# Altium PCB NEW_MINI.PcbDoc
Units mil, origin at the board's own origin, x right, y up, seen from the top; angles counter-clockwise.
Board outline 3790 x 2423 mil, 2 copper layers (Top Layer, Bottom Layer); 92 components, 98 nets, 393 pads, 150 vias.
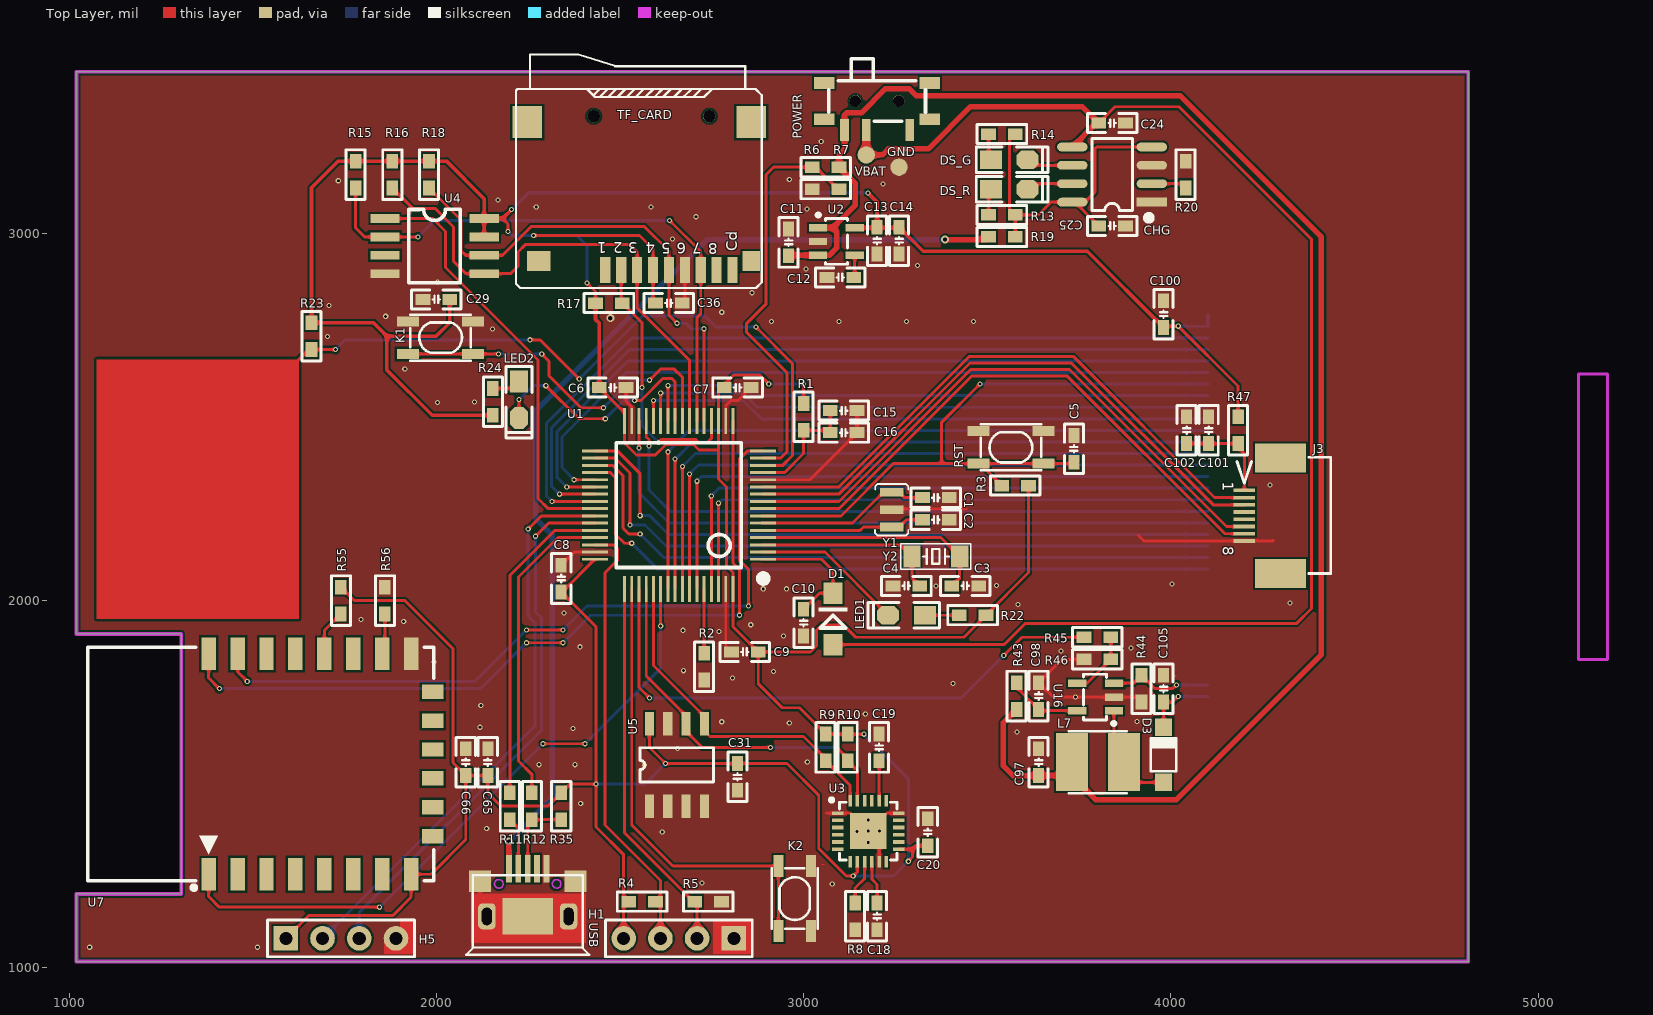
[diagram p0: Top Layer view]
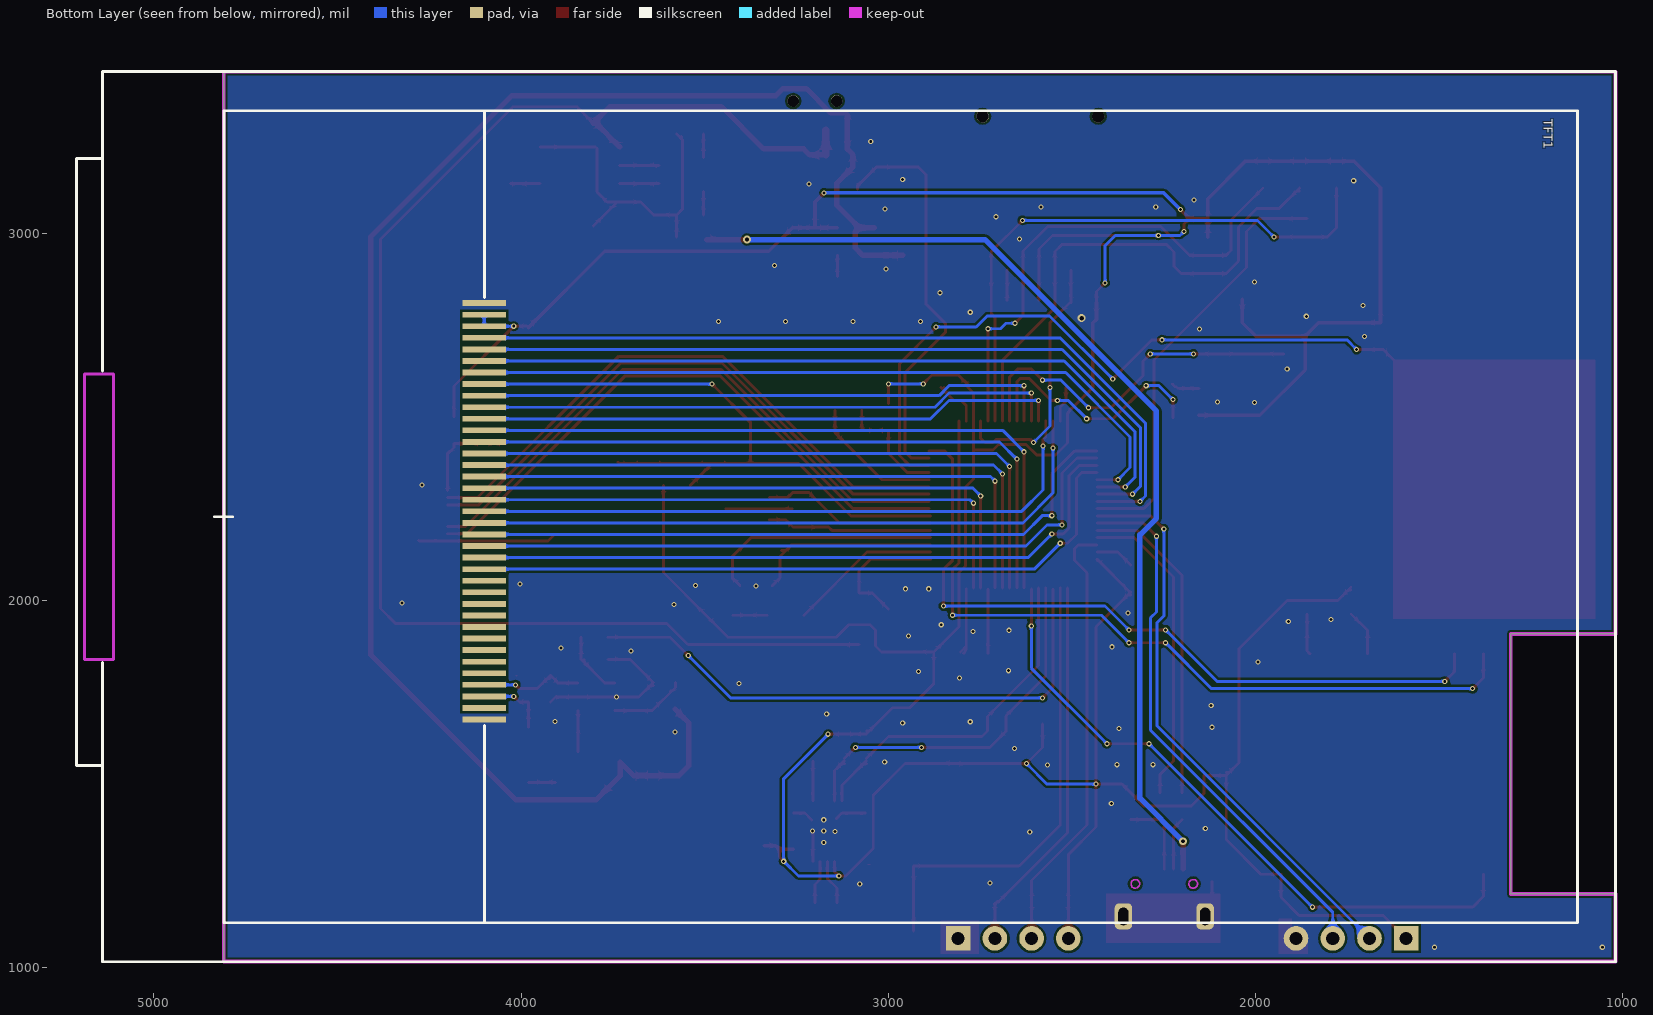
[diagram p1: Bottom Layer view, seen from below]

## Layer stack, top to bottom
Top Solder: solder mask 0.4, Solder Resist, Dk 3.5
Top Layer: signal copper 1.4
Dielectric1: dielectric 12.6, FR-4, Dk 4.8
Bottom Layer: signal copper 1.4
Bottom Solder: solder mask 0.4, Solder Resist, Dk 3.5

## Board outline
1020,1909 1020,3440 4810,3440 4810,1017 1020,1017 1020,1201 1305,1201 1305,1909

## Design rules (kind name [scope] priority, off if disabled: settings)
Clearance [All] p1: gap=6
ComponentClearance [All] p1: gap=10 collisioncheckmode=3 verticalgap=2 showdistances=FALSE
FabricationTestPointUsage TestPointUsage [All] p1: valid=0 allowmultiple=FALSE
FabricationTestpoint Testpoint [(IsPad And (OnTopLayer Or OnBottomLayer))] p1: side=3 testpointundercomponent=TRUE minsize=40 maxsize=100 preferedsize=60 minholesize=0 maxholesize=40 preferedholesize=32 testpointgrid=1 allowsidetop=TRUE allowsidebottom=TRUE usegrid=TRUE gridtolerance=0.01
HoleToHoleClearance [All] p1: gap=6 allowstackedmicrovias=TRUE
MinimumSolderMaskSliver [All] p1: minsoldermaskwidth=0
PlaneConnect [All] p1: planeconnectstyle=Direct reliefexpansion=20 reliefentries=4 reliefconductorwidth=10 reliefairgap=10
PolygonConnect [All] p1: connectstyle=Direct reliefconductorwidth=10 reliefentries=4 polygonreliefangle="90 Angle" airgapwidth=10
RoutingVias [All] p1: holewidth=8 width=14 viastyle="Through Hole" minholewidth=8 minwidth=14 maxholewidth=508 maxwidth=514
SilkToSilkClearance [All] p1: silktosilkclearance=2
SilkToSolderMaskClearance SilkscreenOverComponentPads [IsPad] p1: minsilkscreentomaskgap=0 clearancetoexposedcopper=TRUE
SolderMaskExpansion [All] p1: expansion=4
Width [All] p1: maxlimit=200 minlimit=8 preferedwidth=8 minimp=50.000000 maximp=50.000000 favimp=50.000000
22 further rules are at their usual default settings.

## Components (designator, comment, footprint, x,y, rotation, side; value= is the part's Value field where it differs from the comment)
C1 "22pF" "C 0603_M" 3360,2280 r180 top
C2 "22pF" "C 0603_M" 3360,2220 r180 top
C3 "6pF" "C 0603_M" 3440,2040 r180 top
C4 "6pF" "C 0603_M" 3280,2040 r0 top
C5 "104" "C 0603_M" 3736,2413 r270 top
C6 "104" "C 0603_M" 2480,2580 r180 top
C7 "104" "C 0603_M" 2820,2580 r180 top
C8 "104" "C 0603_M" 2340,2060 r270 top
C9 "104" "C 0603_M" 2840,1860 r0 top
C10 "104" "C 0603_M" 3000,1940 r90 top
C11 "10uF" "C 0603_M" 2959,2975 r90 top
C12 "103" "C 0603_M" 3100,2880 r0 top
C13 "104" "C 0603_M" 3200,2980 r90 top
C14 "10uF" "C 0603_M" 3260,2980 r90 top
C15 "104" "C 0603_M" 3109,2517 r180 top
C16 "10uF" "C 0603_M" 3109,2457 r180 top
C18 "104" "C 0603_M" 3200,1140 r90 top
C19 "10uF" "C 0603_M" 3205.53,1600 r270 top
C20 "104" "C 0603_M" 3338,1369 r270 top
C24 "10uF" "C 0603_M" 3840,3300 r0 top
C25 "10uF" "C 0603_M" 3840,3020 r0 top
C29 "104" "C 0603_M" 2000,2820 r180 top
C31 "104" "C 0603_M" 2820,1520 r270 top
C36 "104" "C 0603_M" 2633.23,2810 r0 top
C65 "10uF" "C 0603_M" 2140,1560 r270 top
C66 "104" "C 0603_M" 2080,1560 r270 top
C97 "10uF" "C 0603_M" 3640,1560 r270 top
C98 "1uF" "C 0603_M" 3640,1740 r270 top
C100 "104" "C 0603_M" 3980,2780 r270 top
C101 "104" "C 0603_M" 4103,2464 r270 top
C102 "10uF" "C 0603_M" 4043,2464 r270 top
C105 "1uF" "C 0603_M" 3980,1760 r90 top
CHG "TP4056" SOP8_M 3840,3160 r180 top
D1 "1N4148" DIODE_SOP 3080,1880 r90 top
D3 "MBR0520" SOD-123 3980,1580 r270 top
DS_G "LED" "LED 0805G" 3560,3200 r0 top
DS_R "LED" "LED 0805R" 3560,3120 r0 top
GND "TP7" TP-1.5 3260,3180 r0 top
H1 "Header 4" HDR2.54-LI-4P 2660,1080 r180 top
H5 "Header 4" HDR2.54-LI-4P 1740,1080 r0 top
J3 "FPC-8P-0.5" FPC-8P 4200,2300 r270 top
K1 "S-KEY-SMD-324225" KEY-SOP324225 2100,2760 r0 top
K2 "S-KEY-SMD-324225" KEY-SOP324225 3020,1100 r270 top
L7 "4.7uH" L_SOP4 3880,1560 r180 top
LED1 "RED" "LED 0805R" 3280,1960 r180 top
LED2 "RED" "LED 0805R" 2225,2547 r270 top
POWER "BUTTON_DIP3" MSK-12C01-07 3200,3360 r180 top
R1 "10R" "R 0603_M" 3000,2500 r270 top
R2 "10K" "R 0603_M" 2728.9,1820 r270 top
R3 "10K" "R 0603_M" 3576,2313 r180 top
R4 "10K" "R 0603_M" 2560,1180 r180 top
R5 "10K" "R 0603_M" 2740,1180 r0 top
R6 "10K" "R 0603_M" 3060,3180 r180 top
R7 "10K" "R 0603_M" 3060,3120 r180 top
R8 "10K" "R 0603_M" 3140,1140 r270 top
R9 "4.7K" "R 0603_M" 3060,1600 r90 top
R10 "4.7K" "R 0603_M" 3120,1600 r90 top
R11 "10R" "R 0603_M" 2200,1440 r270 top
R12 "10R" "R 0603_M" 2260,1440 r270 top
R13 "510R" "R 0603_M" 3540,3050 r180 top
R14 "510R" "R 0603_M" 3540,3270 r180 top
R15 "47K" "R 0603_M" 1780,3160 r90 top
R16 "47K" "R 0603_M" 1880,3160 r90 top
R17 "47K" "R 0603_M" 2470,2810 r180 top
R18 "47K" "R 0603_M" 1980,3160 r90 top
R19 "0.4R" "R 0603_M" 3540,2990 r180 top
R20 "4K" "R 0603_M" 4040,3160 r270 top
R22 "510" "R 0603_M" 3460,1960 r180 top
R23 "1M" "R 0603_M" 1660,2720 r270 top
R24 "510" "R 0603_M" 2154,2541 r90 top
R35 "1.5K" "R 0603_M" 2340,1440 r270 top
R43 "0R" "R 0603_M" 3580,1740 r270 top
R44 "10R" "R 0603_M" 3920,1760 r90 top
R45 "10K" "R 0603_M" 3800,1900 r180 top
R46 "100K" "R 0603_M" 3800,1840 r180 top
R47 "10R" "R 0603_M" 4183,2464 r90 top
R55 "1K" "R 0603_M" 1740,2000 r270 top
R56 "1K" "R 0603_M" 1860,2000 r270 top
RST "S-KEY-SMD-324225" KEY-SOP324225 3476,2373 r180 top
TF_CARD "SD-MICRO-TF" SD-MICRO-TF 2460,2900 r180 top locked
TFT1 "TFT4.3'" TFT4.3' 5140,3440 r270 bottom locked
U1 "STM32F103RCT6" LQFP_64_M 2660,2260 r90 top locked
U2 "CAT6219-330TD" SOT-23-5#1 3039,3015 r0 top
U3 "MPU6050" QFN24 3176,1372 r0 top
U4 "W25Q128" SOIC-8 1860,3040 r0 top
U5 "24C02" SOP-8 2580,1440 r90 top
U7 "ESP8266" ESP_12E 1380,1240 r90 top locked
U16 "MP3302DJ" SOT-23-5#2 3780,1800 r180 top
USB "J-MICRO-USB-5S" USB-AB-5S 2360,1140 r180 top
VBAT "TP6" TP-1.5 3170.47,3213.53 r0 top
Y1 "8MHz" Y-XTAL-3215-3P 3240,2200 r90 top
Y2 "32.768K" "OSC 3215-2P" 3360,2120 r0 top

## Footprints (in the part's own frame and the unit in brackets; to place one, negate y for a bottom-side part, rotate by r counter-clockwise, add the part's x,y. Pads: shape width x height; smd on the part's side, far side on the other; paste and mask are expansions set on the pad)
"C 0603_M" [mil] "无极性贴片电容"
  rect 40x30 smd: 1(-36.5,0) 2(36.5,0)
  silkscreen extent -68,-26 68,26, body extent -31,-16 31,16, height 32
DIODE_SOP [mm]
  rect 1.5x1.3 smd: 1(0,0) 2(3.556,0)
  silkscreen extent 1.14,-1.02 2.56,1.02
ESP_12E [mm] "ESP-12 Wi-Fi Module by AI-Thinker"
  rect 2.25x1 smd: 1(0.375,0) 2(0.375,-2) 3(0.375,-4) 4(0.375,-6) 5(0.375,-8) 6(0.375,-10) 7(0.375,-12) 8(0.375,-14) 15(15.625,-14) 16(15.625,-12) 17(15.625,-10) 18(15.625,-8) 19(15.625,-6) 20(15.625,-4) 21(15.625,-2) 22(15.625,0)
  rect 1x1.5 smd: 9(3,-15.5) 10(5,-15.5) 11(7,-15.5) 12(9,-15.5) 13(11,-15.5) 14(13,-15.5)
  silkscreen extent -0.7,-15.57 16.08,8.37, body extent 0,-15.49 16,8.51, height 2.75
FPC-8P [mm]
  rect 0.25x1.5 smd: 1(0,0) 2(0.5,0) 3(1,0) 4(1.5,0) 5(2,0) 6(2.5,0) 7(3,0) 8(3.5,0)
  rect 2x3.5 smd: 9(-2.25,2.5) 10(5.75,2.5)
  silkscreen extent -2.29,-0.5 5.75,5.97
HDR2.54-LI-4P [mm] "排针，4脚"
  rect 1.7x1.7 hole 0.9: 1(-3.81,0)
  round 1.7 hole 0.9: 2(-1.27,0) 3(1.27,0) 4(3.81,0)
  silkscreen extent -5.08,-1.27 5.08,1.27, body extent -5.08,-1.27 5.08,1.27, height 8.5
KEY-SOP324225 [mm]
  rect 1.5x0.7 smd: 1(-4.5,0) 1(0,0) 2(-4.5,-2.25) 2(0,-2.25)
  silkscreen extent -4.35,-2.73 -0.15,0.48, body extent -6.44,-2.93 1.7,0.67, height 2.49
L_SOP4 [mm]
  rect 2.2x4 smd: 1(0.2,0) 2(3.8,0)
  silkscreen extent 0,-2.15 4,2.15
"LED 0805G" [mil] "绿色0805LED"
  rect 60x50 smd: 1(-50,0)
  oct 60x50 smd: 2(50,0)
  silkscreen extent -90,-35 105,35, body extent -39,-25 39,25, height 32
"LED 0805R" [mil] "红色0805LED"
  rect 60x50 smd: 1(-50,0)
  oct 60x50 smd: 2(50,0)
  silkscreen extent -90,-35 105,35, body extent -39,-25 39,25, height 32
LQFP_64_M [mm]
  rect 0.203x1.8 smd: 1(-3.75,-5.829) 2(-3.25,-5.829) 3(-2.75,-5.829) 4(-2.25,-5.829) 5(-1.75,-5.829) 6(-1.25,-5.829) 7(-0.75,-5.829) 8(-0.25,-5.829) 9(0.25,-5.829) 10(0.75,-5.829) 11(1.25,-5.829) 12(1.75,-5.829) 13(2.25,-5.829) 14(2.75,-5.829) 15(3.25,-5.829) 16(3.75,-5.829) 33(3.75,5.804) 34(3.25,5.804) 35(2.75,5.804) 36(2.25,5.804) 37(1.75,5.804) 38(1.25,5.804) 39(0.75,5.804) 40(0.25,5.804) 41(-0.25,5.804) 42(-0.75,5.804) 43(-1.25,5.804) 44(-1.75,5.804) 45(-2.25,5.804) 46(-2.75,5.804) 47(-3.25,5.804) 48(-3.75,5.804)
  rect 1.8x0.203 smd: 17(5.804,-3.75) 18(5.804,-3.25) 19(5.804,-2.75) 20(5.804,-2.25) 21(5.804,-1.75) 22(5.804,-1.25) 23(5.804,-0.75) 24(5.804,-0.25) 25(5.804,0.25) 26(5.804,0.75) 27(5.804,1.25) 28(5.804,1.75) 29(5.804,2.25) 30(5.804,2.75) 31(5.804,3.25) 32(5.804,3.75) 49(-5.804,3.75) 50(-5.804,3.25) 51(-5.804,2.75) 52(-5.804,2.25) 53(-5.804,1.75) 54(-5.804,1.25) 55(-5.804,0.75) 56(-5.804,0.25) 57(-5.804,-0.25) 58(-5.804,-0.75) 59(-5.804,-1.25) 60(-5.804,-1.75) 61(-5.804,-2.25) 62(-5.804,-2.75) 63(-5.804,-3.25) 64(-5.804,-3.75)
  silkscreen extent -5.33,-6.09 4.32,4.32, body extent -6,-6 6,6, height 1.45
MSK-12C01-07 [mm] "6.7*2.8*1.5mm(长宽高）"
  rect 1.4x0.8 smd: 0(-3.65,-1.25) 0(-3.65,1.25) 0(3.65,-1.25) 0(3.65,1.25)
  rect 0.6x1.5 smd: 1(-2.25,1.996) 2(0.75,1.996) 3(2.25,1.996)
  round 0.8 hole 0.8: " "(-1.5,0) " "(1.5,0)
  silkscreen extent -3.35,-2.92 3.35,1.4, body extent -3.92,-2.9 3.92,2.4, height 1.5
"OSC 3215-2P" [mm] "3.2*1.5*0.6mm(长宽高)"
  rect 1.2x1.5 smd: 1(-1.65,0) 2(1.65,0)
  silkscreen extent -2.41,-0.89 2.41,0.89, body extent -1.6,-0.75 1.6,0.75, height 0.61
QFN24 [mm]
  rect 0.8x0.25 smd: 1(-2.101,1.25) 2(-2.101,0.75) 3(-2.101,0.25) 4(-2.101,-0.25) 5(-2.101,-0.75) 6(-2.101,-1.25) 13(2.101,-1.25) 14(2.101,-0.75) 15(2.101,-0.25) 16(2.101,0.25) 17(2.101,0.75) 18(2.101,1.25)
  rect 0.25x0.8 smd: 7(-1.25,-2.101) 8(-0.75,-2.101) 9(-0.25,-2.101) 10(0.25,-2.101) 11(0.75,-2.101) 12(1.25,-2.101) 19(1.25,2.101) 20(0.75,2.101) 21(0.25,2.101) 22(-0.25,2.101) 23(-0.75,2.101) 24(-1.25,2.101)
  rect 2.5x2.5 smd: 25(0,0)
  silkscreen extent -2.66,-2 2,2.28
"R 0603_M" [mil] "1/10W贴片电阻"
  rect 40x31.5 smd: 1(-36.5,0) 2(36.5,0)
  silkscreen extent -68,-26 68,26, body extent -31,-16 31,16, height 16
SD-MICRO-TF [mm]
  rect 2.032x2.2 smd: 0(-10.1,-10.227) 0(5.4,-10.227)
  rect 1.2x1.4 smd: 0(-10.1,-0.627)
  round 0.85 hole 0.85 unplated: 0(-7.2,-10.627) 0(0.8,-10.627)
  rect 1.6x1.4 smd: 0(4.6,-0.627)
  rect 0.7x1.8 smd: 1(0,0) 2(-1.1,0) 3(-2.2,0) 4(-3.3,0) 5(-4.4,0) 6(-5.5,0) 7(-6.6,0) 8(-7.7,0) 9(-8.8,0)
  silkscreen extent -10.82,-14.91 6.17,1.25, body extent -10.37,-14.85 5.9,0.34, height 1.8
SOD-123 [mm]
  rect 1.2x1.2 smd: 1(1.905,0) 2(-1.905,0)
  silkscreen extent -1.14,-0.89 1.14,0.89
SOIC-8 [mil]
  rect 80x24 smd: 1(0,0) 2(0,-50.06) 3(0,-100.06) 4(0,-150.06) 5(270,-150) 6(270,-100) 7(270,-50) 8(270,0)
  silkscreen extent 65,-175 205,25
SOP8_M [mm] "5*6*1.8mm（长宽高）"
  rect 2.1x0.6 smd: 1(-2.75,1.905)
  oval 2.1x0.6 smd: 2(-2.75,0.635) 3(-2.75,-0.635) 4(-2.75,-1.905) 5(2.75,-1.905) 6(2.75,-0.635) 7(2.75,0.635) 8(2.75,1.905)
  silkscreen extent -2.69,-2.5 1.4,3.15, body extent -3,-2.5 3,2.5, height 1.9
SOP-8 [mil]
  rect 65x25 smd: 1(0,0) 2(0,-50) 3(0,-100) 4(0,-150) 5(224.41,-150) 6(224.41,-100) 7(224.41,-50) 8(224.41,0)
  silkscreen extent 65,-175 159,25
SOT-23-5#1 [mil]
  rect 50x20 smd: 1(0,0) 2(0,-37.4) 3(0,-74.8) 4(100,-74.8) 5(100,0)
  silkscreen extent 0,-99 80,35
SOT-23-5#2 [mil]
  rect 50x20 smd: 1(-65,100) 2(-65,63) 3(-65,25) 4(35,25) 5(35,100)
  silkscreen extent -65,1 18,135
TFT4.3' [mm]
  rect 0.4x3 smd: 1(16.006,26.396) 2(16.806,26.396) 3(17.606,26.396) 4(18.406,26.396) 5(19.206,26.396) 6(20.006,26.396) 7(20.806,26.396) 8(21.606,26.396) 9(22.406,26.396) 10(23.206,26.396) 11(24.006,26.396) 12(24.806,26.396) 13(25.606,26.396) 14(26.406,26.396) 15(27.206,26.396) 16(28.006,26.396) 17(28.806,26.396) 18(29.606,26.396) 19(30.406,26.396) 20(31.206,26.396) 21(32.006,26.396) 22(32.806,26.396) 23(33.606,26.396) 24(34.406,26.396) 25(35.206,26.396) 26(36.006,26.396) 27(36.806,26.396) 28(37.606,26.396) 29(38.406,26.396) 30(39.206,26.396) 31(40.006,26.396) 32(40.806,26.396) 33(41.606,26.396) 34(42.406,26.396) 35(43.206,26.396) 36(44.006,26.396) 37(44.806,26.396)
  Keep-Out Layer lines w0.203: 40.66,0.75 20.9,0.75 20.9,-1.25 40.66,-1.25 40.66,0.75
  silkscreen extent 0,-1.8 61.56,104.65
TP-1.5 [mm]
  round 1.2 smd: 1(0,0)
USB-AB-5S [mm]
  rect 0.4x1.9 smd: 1(4.125,-3.286) 2(3.475,-3.286) 3(2.825,-3.286) 4(2.175,-3.286) 5(1.525,-3.286)
  rrect50% 1.2x1.8 hole 0.7 slot 1.2 at 90 deg: 6(5.65,0) 7(0,0)
  rect 1.5x1.5 smd: 8(-0.477,-2.422) 9(6.127,-2.422)
  rect 3.5x2.5 smd: 9(2.825,-0.009)
  Keep-Out Layer circle w0.102: c0.825,-2.25 r0.3
  Keep-Out Layer circle w0.102: c4.825,-2.25 r0.3
  silkscreen extent -1.44,-2.85 7.09,2.66, body extent -1.12,-2.92 6.88,2.68, height 2.8
Y-XTAL-3215-3P [mm]
  rect 0.6x1.6 smd: 1(0,0) 2(1.2,0) 3(2.4,0)
  silkscreen extent -0.58,-1.14 2.98,1.17, body extent -0.35,-0.75 2.85,0.75, height 0.81

## Part data
C1 C2 C10 C24 C25: library part CAP
C3 C4 C5 C6 C7 C8 C9 C11 C12 C13 C14 C15 C16 C18 C19 C20 C29 C31 C36 C65 C66 C97 C98 C100 C101 C102 C105: library part C
CHG: library part Component_1
D1: library part D
D3: library part D, "1N4148"
DS_G DS_R LED1 LED2: library part LED2, "Typical RED, GREEN, YELLOW, AMBER GaAs LED"
GND VBAT: library part TEST-POINT, "测试点"
H1 H5: "Header, 4-Pin"
J3: library part FPC-8, "FPC-8P-0.5mm"
K1 K2 RST: "KEY,SMD,324225"
L7: library part L
POWER: "拨动开关SS-12F44"
R1 R2 R3 R4 R5 R6 R7 R8 R9 R10 R11 R12 R13 R14 R15 R16 R17 R18 R19 R20 R22 R23 R24 R35 R43 R44 R45 R46 R47 R55 R56: library part R
TF_CARD: "SD,MICRO,TF"
TFT1: library part TFT4.3‘, "4.3寸,电容/电阻触摸,分辨率:480*800"
U1: library part STM32F103RDT6
U2: "3.3V 500mA LDO"
U3: "9轴运动处理传感器"
U4: library part W25X16, "W25X16;SST25VF016;MX25L1605"
U5: library part 24C256
U16: library part MP3302, "LCD背光IC"
USB: "Micro USB 5.9有柱脚长1.25加长针"
Y1: library part Y-3215-8M, "XTAL,3215,8MHz"
Y2: library part XTAL, "Crystal Oscillator"

## Via types
v1: diameter 14, hole 8, Top Layer to Bottom Layer, 147 vias
v2: diameter 21, hole 10, Top Layer to Bottom Layer, 2 vias
v3: diameter 22, hole 12, Top Layer to Bottom Layer, 1 vias

## Nets (pads, with @x,y where several pads share a name; then routed paths per layer and width w, separated by ;. In a path a pad name is that pad's centre, name@x,y a point inside that pad or via, vN(x,y) a via of type N, cw(c..) or ccw(c..) an arc to the next point about the centre after c; other vN are vias at no path point)
BOOT0: R2.1 U1.60 | length 175
  Top Layer w8: R2.1 U1.60
ESP_ADC: U7.2
ESP_CS0: U7.9
ESP_EN: U7.3
ESP_GPIO0: R55.2 U7.18 | length 127
  Top Layer w8: U7.18 1694.96,1918.46 R55.2
ESP_GPIO2: U7.17
ESP_GPIO4: U7.19
ESP_GPIO5: U7.20
ESP_GPIO9: U7.11
ESP_GPIO10: U7.12
ESP_GPIO12: U7.6
ESP_GPIO13: U7.7
ESP_GPIO14: U7.5
ESP_GPIO15: R56.2 U7.16 | length 111.5
  Top Layer w8: U7.16 1860,1862.72 R56.2
ESP_GPIO16: U7.4
ESP_MISO: U7.10
ESP_MOSI: U7.13
ESP_RST: U1.54 U7.1 | length 1788.8
  Top Layer w8: U7.1 1380,1194 1409,1165 v1(1845,1165) ; v1(2290,1610) v1(2405,1610) ; v1(2610.79,1930.21) U1.54
  Bottom Layer w8: v1(1845,1165) v1(2290,1610) ; v1(2405,1610) 2610.79,1815.79 v1(2610.79,1930.21)
ESP_RXD0: U1.16 U7.21 | length 2020.2
  Top Layer w8: U7.21 1458.74,1806.26 v1(1485,1780) ; v1(2245,1920) v1(2345,1920) ; v1(2850,1985) 2850,2085 2825,2110 2825,2385 2847.64,2407.64 U1.16
  Bottom Layer w8: v1(1485,1780) 2105,1780 v1(2245,1920) ; v1(2345,1920) 2410,1985 v1(2850,1985)
ESP_SCLK: U7.14
ESP_TXD0: U1.17 U7.22 | length 2141.7
  Top Layer w8: U7.22 1380,1789 v1(1409,1760) ; v1(2245,1885) v1(2345,1885) ; U1.17 2807.64,2102.36 2825,2085 v1(2825,1960)
  Bottom Layer w8: v1(1409,1760) 2120,1760 v1(2245,1885) ; v1(2345,1885) 2420,1960 v1(2825,1960)
GND: C1.1 C2.1 C3.1 C4.1 C5.1 C6.1 C7.1 C8.1 C9.1 C10.1 C11.2 C12.1 C13.1 C14.1 C15.1 C16.1 C18.1 C19.1 C20.1 C24.2 C25.2 C29.2 C31.2 C36.2 C65.1 C66.1 C97.1 C98.1 C100.1 C101.1 C102.1 C105.2 CHG.1 CHG.3 GND.1 H1.1 H5.4 J3.8 K1.1 K2.1 R2.2 R5.2 R7.2 R8.2 R20.1 R44.1 R46.2 R56.1 RST.2 TF_CARD.6 TFT1.1 TFT1.37 U1.12 U1.18 U1.31 U1.47 U1.63 U2.2 U3.1 U3.11 U3.18 U4.4 U5.1 U5.2 U5.3 U5.4 U5.7 U7.15 U16.2 USB.5 USB.6 USB.7 USB.8 USB.9 Y1.2 | length 2320.5
  Top Layer w8: 2118,1178 2118.78,1178.78 USB.9@2118.78,1235.35 ; C8.1 2375.55,2132.05 U1.47 ; C6.1 2516.5,2542.5 2532.05,2526.95 U1.31 ; C36.2@2676.54,2816.81 TF_CARD.6 ; C9.1@2787.95,1873.39 ccw(c2811.89,1873.39) C9.1@2794.96,1856.46 ; U1.63 2787.95,1875.55 C9.1 ; U1.18 2787.95,2530.95 2802,2545 2821.5,2545 C7.1 ; C7.1@2842.84,2566.34 ccw(c2829.19,2580) C7.1@2848.5,2580 ; U1.12 3017.4,2328.9 C16.1 C15.1 ; 3062.53,1421.45 3062.77,1421.21 U3.1 3126.79,1421.21 3142,1406 ; C16.1@3131.84,2443.34 ccw(c3118.19,2457) C16.1@3137.5,2457 ; U3.11 v1@3205.53,1372 ; 3208,1402 3227.21,1421.21 U3.18 ; Y1.2@3262,2250 3442,2250 ; C98.1@3640,1768.5 cw(c3640,1749.19) C98.1@3653.66,1762.84 ; R46.2 3703.5,1840 C98.1 3679.5,1737 v1(3740,1737) U16.2 3906.5,1737 R44.1 ; 3912,2177 3926.8,2162.2 J3.8 4277.2,2162.2 4279,2164
  other v1: 1056,1056 1513,1056 3078,1228 2723,1231 3176,1341 2615,1370 3145,1371 3176,1372 3207,1372 2137,1379 3176,1403 2393,1447 2567,1552 2279,1553 2377,1553 3010,1560 2657,1597 3581,1642 2372,1652 2119,1655 2961,1667 2777,1670 3908,1671 3168,1691 2121,1714 3407,1774 2806,1789 2918,1807 2673,1809 1994,1833 3701,1863 3891,1871 2391,1874 2945,1903 2770,1916 2672,1919 2856,1934 1911,1943 1795,1948 2348,1966 3584,1989 4324,1993 2890,2032 2953,2032 3360,2040 3525,2041 4003,2045 4270,2315 2003,2539 2104,2541 1914,2630 1704,2719 2153,2739 2913,2760 3096.33,2760 3279.67,2760 3463,2760 1862,2774 2777,2785 1708,2803 2859,2838 2003,2867 3006,2903 3310,2912 2643,2984 2707,3045 3009,3066 2272,3072 2584,3072 2168,3091 3216,3134 1733,3143 2961,3146 3048,3250
  other v3: 2474,2769
IIC_SCL: R10.1 U1.52 U3.23 U5.6 | length 1041.1
  Top Layer w8: U1.52@2571.42,2034.53 U1.52 2571.42,1794.58 2680,1686 U5.6 2680,1644 2724,1600 v1(2910,1600) ; v1(3090,1600) R10.1@3120,1570 ; R10.1@3120,1555.5 cw(c3120,1536.19) R10.1@3133.66,1549.84 ; R10.1 3146.47,1537.03 U3.23
  Bottom Layer w8: v1(2910,1600) v1(3090,1600)
IIC_SDA: R9.1 U1.53 U3.24 U5.5 | length 959.7
  Top Layer w8: U1.53@2591.1,2034.53 U1.53 2591.1,1822.9 2730,1684 U5.5 2730,1645 2745,1630 3000,1630 R9.1@3060,1570 ; R9.1@3060,1555.5 cw(c3060,1536.19) R9.1@3073.66,1549.84 ; R9.1 3126.79,1496.71 U3.24
JTCK: H1.2 R5.1 U1.49 | length 1038.4
  Top Layer w8: U1.49@2512.36,2034.53 2512.36,1367.64 R5.1@2700,1180 ; H1.2 R5.1@2710,1173.5
  Top Layer w10: R5.1@2700,1180 R5.1 R5.1@2710,1173.5
JTMS: H1.3 R4.1 U1.46 | length 1203.6
  Top Layer w8: U1.46 2482.27,2151.73 2493,2141 2493,2109.42 2459,2075.42 2459,1389 2610,1238 H1.3
LED_A: C105.1 D3.2 TFT1.35 | length 195.7
  Top Layer w8: D3.2 C105.1 4004.5,1723.5 v1(4020,1739)
  Bottom Layer w8: v1(4020,1739) TFT1.35
LED_K: R44.2 TFT1.34 U16.3 | length 299.3
  Top Layer w8: U16.3 3898.5,1775 R44.2 3956.5,1760 4004.52,1760 v1(4015,1770.48) ; R44.2@3920,1788.5 cw(c3920,1769.19) R44.2@3933.66,1782.84
  Bottom Layer w8: v1(4015,1770.48) TFT1.34
MPU_INT: U3.12
NetC10_2: C10.2 D1.2 U1.1 | length 366.5
  Top Layer w8: U1.1@2885.47,2112.36 U1.1 3048.64,2112.36 3080,2081 D1.2 3043.5,2020 C10.2
NetC12_2: C12.2 U2.4 | length 57.7
  Top Layer w8: C12.2@3139,2882.5 U2.4
NetC18_2: C18.2 U3.10 | length 118.6
  Top Layer w8: U3.10 3185.84,1241.16 3200,1227 C18.2
NetC19_2: C19.2 U3.20 | length 108.8
  Top Layer w8: U3.20 C19.2
NetC25_1: C25.1 CHG.4 CHG.8 R13.1 R14.1 R19.1 | length 911.8
  Top Layer w8: R14.1@3562.13,3255.63 ccw(c3558.03,3259.72) R14.1@3562.73,3263.12 ; R19.1 R13.1 ; R14.1 3560,3253.5 3560,3066.5 R13.1 ; C25.1 CHG.8@3738.5,3085 ; CHG.4 3797.22,3235 3793,3230.78 3793,3112 3766,3085 CHG.8@3738.5,3085 ; R13.1 3639,3050 3674,3085 CHG.8 CHG.8@3738.5,3085
NetC98_2: C98.2 R43.1 U16.5 | length 204.3
  Top Layer w8: R43.1 3580,1763.5 C98.2 3643.5,1700 U16.5
NetC101_2: C101.2 C102.2 J3.1 R47.1 | length 274.5
  Top Layer w8: C102.2 C101.2 R47.1 4183,2416.79 4200,2399.79 J3.1
NetCHG_2: CHG.2 R20.2 | length 80.2
  Top Layer w8: CHG.2 R20.2@4028.5,3135
NetCHG_6: CHG.6 DS_G.2 | length 106.7
  Top Layer w8: DS_G.2@3625,3185 CHG.6
NetCHG_7: CHG.7 DS_R.2 | length 106.7
  Top Layer w8: DS_R.2@3625,3135 CHG.7
NetD3_1: D3.1 L7.1 U16.1 | length 186.9
  Top Layer w8: L7.1@3845,1587.13 U16.1 ; L7.1@3906,1505 D3.1
NetDS_G_1: DS_G.1 R14.2 | length 63.5
  Top Layer w8: DS_G.1@3503.5,3206.5 R14.2
NetDS_R_1: DS_R.1 R13.2 | length 63.5
  Top Layer w8: R13.2 DS_R.1@3503.5,3113.5
NetLED1_1: LED1.1 R22.2 | length 93.5
  Top Layer w8: LED1.1 R22.2
NetLED2_1: LED2.1 R24.2 | length 80.9
  Top Layer w8: R24.2 LED2.1@2205.5,2577.5 ; LED2.1@2202,2577.5 ccw(c2202,2609.25) LED2.1@2227.4,2590.2
NetR8_1: R8.1 U3.9 | length 123.6
  Top Layer w8: R8.1 3140,1217 3166.16,1243.16 U3.9
NetR11_2: R11.2 USB.2 | length 143.8
  Top Layer w8: R11.2 2223.19,1380.31 USB.2
NetR12_2: R12.2 R35.2 USB.3 | length 218.8
  Top Layer w8: USB.3 2248.78,1392.28 R12.2 R35.2
NetR45_1: R45.1 R46.1 U16.4 | length 193.6
  Top Layer w8: U16.4 3771.5,1775 R46.1 R45.1 ; R46.1@3822.84,1826.34 ccw(c3809.19,1840) R46.1@3828.5,1840
PA0: R23.2 U1.14 | length 1891.1
  Top Layer w8: 1616,2647 1652.5,2683.5 R23.2 v1(1725,2683.5) ; v1(2255,2710) 2282,2710 v1(2389,2603) ; v1(2870,2745) 2970,2645 2970,2395 2943.27,2368.27 U1.14
  Bottom Layer w8: v1(1725,2683.5) 1751.5,2710 v1(2255,2710) ; v1(2389,2603) 2561,2775 2731,2775 2761,2745 v1(2870,2745)
PA1: R6.2 R7.1 U1.15 | length 1119.3
  Top Layer w8: U1.15 2937.95,2387.95 2955,2405 2955,2620 2845,2730 2845,2755 2898,2808 2898,3160 2918,3180 R6.2 3033,3180 3083.5,3129.5 R7.1@3083.5,3120
PA4: R17.1 TF_CARD.2 U1.20 | length 713.6
  Top Layer w8: R17.1@2503.31,2810 TF_CARD.2 ; R17.1 2560,2756.5 v1(2560,2580) ; v1(2605,2430) 2614,2439 2705.8,2439 2714.8,2430 2737,2430 2748.58,2441.58 U1.20
  Bottom Layer w8: v1(2560,2580) 2560,2475 v1(2605,2430)
PA5: R18.1 TF_CARD.5 U1.21 U4.6 | length 1375.3
  Top Layer w8: R18.1 2067,3036.5 2067,2953 2080,2940 U4.6 2180,2940 2258,3018 2567,3018 2633.23,2951.77 TF_CARD.5 2633.23,2776.77 v1(2655,2755) ; U1.21 v1(2728.9,2740)
  Bottom Layer w8: v1(2655,2755) 2680,2755 2695,2740 v1(2728.9,2740)
PA6: R15.1 TF_CARD.7 U1.22 U4.2 | length 1578.6
  Top Layer w8: R15.1 1780,3015 1805.06,2989.94 U4.2 v1(1949.94,2989.94) ; v1(2635,3035) 2719.84,2950.16 TF_CARD.7 2719.84,2780.84 2709.21,2770.21 U1.22
  Bottom Layer w8: v1(1949.94,2989.94) 1995,3035 v1(2635,3035)
PA7: R16.1 TF_CARD.3 U1.23 U4.5 | length 1417.3
  Top Layer w8: R16.1@1880,3115.5 cw(c1880,3096.19) R16.1@1893.66,3109.84 ; R16.1 1935.5,3068 1996,3068 2047,3017 2047,2924 2081,2890 U4.5 2202,2890 2222.25,2910.25 2222.25,2949.25 2242,2969 2528,2969 2546.61,2950.39 TF_CARD.3 2546.61,2797.39 2689.53,2654.47 U1.23
PA8: U1.41 U4.1 | length 1176.9
  Top Layer w8: U4.1 1990,3040 2025,3005 2025,2907 2277,2655 2277,2278 2304.84,2250.16 U1.41
PA9: H5.2 U1.42 | length 1558.1
  Top Layer w8: v1(2250,2195) 2285.47,2230.47 U1.42
  Bottom Layer w8: H5.2 2268,1658 2268,1940 2250,1958 v1(2250,2195)
PA10: H5.3 U1.43 | length 1483.4
  Top Layer w8: v1(2270,2175) 2305.79,2210.79 U1.43
  Bottom Layer w8: H5.3 1790,1151 2286,1647 2286,1953 2270,1969 v1(2270,2175)
PA11: R11.1 U1.44 | length 874
  Top Layer w8: R11.1 2200,2068 2323.1,2191.1 U1.44
PA12: R12.1 U1.45 | length 854.4
  Top Layer w8: R12.1 2260,1527 2224,1563 2224,2064 2331.42,2171.42 U1.45
PA15: K2.2 U1.50 | length 1268.4
  Top Layer w8: U1.50@2532.05,2034.53 U1.50 2532.05,1388.95 2643.83,1277.17 2931.42,1277.17 K2.2@2931.42,1100
PB0: TFT1.9 U1.26 | length 1578
  Top Layer w8: U1.26 v1(2630.47,2585)
  Bottom Layer w8: v1(2630.47,2585) 2834.6,2585 2861.72,2557.88 TFT1.9
PB1: TFT1.10 U1.27 | length 1582.5
  Top Layer w8: U1.27 v1(2610.79,2565)
  Bottom Layer w8: v1(2610.79,2565) 2834.8,2565 2873.41,2526.39 TFT1.10
PB2: TFT1.11 U1.28 | length 1586.9
  Top Layer w8: U1.28 v1(2591.1,2545)
  Bottom Layer w8: v1(2591.1,2545) 2835,2545 2885.11,2494.89 TFT1.11
PB3: TFT1.12 U1.55 | length 1865
  Top Layer w8: U1.55@2630.47,2034.53 v1(2630.47,2405)
  Bottom Layer w8: v1(2630.47,2405) 2688.87,2463.39 TFT1.12
PB4: TFT1.13 U1.56 | length 1820.5
  Top Layer w8: U1.56@2650.16,2034.53 v1(2650.16,2385)
  Bottom Layer w8: v1(2650.16,2385) 2697.05,2431.9 TFT1.13
PB5: TFT1.14 U1.57 | length 1776.1
  Top Layer w8: U1.57@2669.84,2034.53 v1(2669.84,2365)
  Bottom Layer w8: v1(2669.84,2365) 2705.24,2400.4 TFT1.14
PB6: TFT1.15 U1.58 | length 1731.6
  Top Layer w8: U1.58@2689.53,2034.53 v1(2689.53,2345)
  Bottom Layer w8: v1(2689.53,2345) 2713.43,2368.91 TFT1.15
PB7: TFT1.16 U1.59 | length 1687.2
  Top Layer w8: U1.59@2709.21,2034.53 v1(2709.21,2325)
  Bottom Layer w8: v1(2709.21,2325) 2721.62,2337.41 TFT1.16
PB8: TFT1.17 U1.61 | length 1611.3
  Top Layer w8: U1.61@2748.58,2034.53 v1(2748.58,2285)
  Bottom Layer w8: v1(2748.58,2285) 2769.5,2305.91 TFT1.17
PB9: TFT1.18 U1.62 | length 1566.9
  Top Layer w8: U1.62@2768.27,2034.53 v1(2768.27,2265)
  Bottom Layer w8: v1(2768.27,2265) 2777.68,2274.42 TFT1.18
PB10: TFT1.19 U1.29 | length 1736.5
  Top Layer w8: U1.29 2571.42,2445.58 2578.71,2438.29 v1(2578.71,2420.71)
  Bottom Layer w8: v1(2578.71,2420.71) 2578.71,2301.29 2637.08,2242.92 TFT1.19
PB11: TFT1.20 U1.30 | length 1778.2
  Top Layer w8: v1(2551.73,2415) U1.30
  Bottom Layer w8: v1(2551.73,2415) 2551.73,2293.27 2633.57,2211.43 TFT1.20
PB12: TFT1.21 U1.33 | length 1830.4
  Top Layer w8: U1.33 2492.36,2407.64 2555,2345 v1(2555,2231)
  Bottom Layer w8: v1(2555,2231) 2581,2231 2632.07,2179.93 TFT1.21
PB13: TFT1.22 U1.34 | length 1851.1
  Top Layer w8: U1.34 2486.05,2387.95 2527,2347 v1(2527,2206)
  Bottom Layer w8: v1(2527,2206) 2568,2206 2625.57,2148.43 TFT1.22
PB14: TFT1.23 U1.35 | length 1857.2
  Top Layer w8: U1.35 2479.73,2368.27 2508,2340 2508,2197 2524,2181 v1(2555,2181)
  Bottom Layer w8: v1(2555,2181) 2619.06,2116.94 TFT1.23
PB15: TFT1.24 U1.36 | length 1868.5
  Top Layer w8: U1.36 2473.42,2348.58 2488,2334 2488,2180 2512,2156 v1(2532,2156)
  Bottom Layer w8: v1(2532,2156) 2602.56,2085.44 TFT1.24
PC0: J3.7 U1.8 | length 1637.7
  Top Layer w8: U1.8 3096.16,2250.16 3457,2611 3718,2611 4147.11,2181.89 J3.7
PC1: J3.6 U1.9 | length 1636.3
  Top Layer w8: U1.9 3096.04,2269.84 3455.2,2629 3724,2629 4151.43,2201.57 J3.6
PC2: J3.3 U1.10 | length 1618.6
  Top Layer w8: U1.10 3095.93,2289.53 3453.4,2647 3729,2647 4115.37,2260.63 J3.3
PC3: J3.2 U1.11 | length 1617.2
  Top Layer w8: U1.11 3095.82,2309.21 3451.6,2665 3734,2665 4118.69,2280.32 J3.2
PC4: K1.2 U1.24 | length 1002.9
  Top Layer w8: K1.2@1922.83,2671.42 2100,2671.42 v1(2169.42,2671.42) ; v1(2287,2671.42) 2307,2651.42 2307,2612 2394,2525 v1(2455,2525) ; v1(2580,2600) 2610,2630 2648,2630 2669.84,2608.16 U1.24
  Bottom Layer w8: v1(2169.42,2671.42) v1(2287,2671.42) ; v1(2455,2525) 2530,2600 v1(2580,2600)
PC5: LED2.2 U1.25 | length 684.3
  Top Layer w8: LED2.2 v1(2225,2547) ; v1(2298,2585) 2388,2495 v1(2460,2495) ; v1(2540,2545) 2557,2545 2617,2605 2640,2605 2650.16,2594.84 U1.25
  Bottom Layer w8: v1(2225,2547) 2263,2585 v1(2298,2585) ; v1(2460,2495) 2510,2545 v1(2540,2545)
PC6: TFT1.7 U1.37 | length 2018.2
  Top Layer w8: v1(2375.1,2328.9) U1.37
  Bottom Layer w8: v1(2375.1,2328.9) 2342,2362 2342,2445.6 2517.27,2620.87 TFT1.7
PC7: TFT1.6 U1.38 | length 2090.4
  Top Layer w8: v1(2355,2309.21) U1.38
  Bottom Layer w8: v1(2355,2309.21) 2328,2336.21 2328,2459 2521.37,2652.37 TFT1.6
PC8: TFT1.5 U1.39 | length 2161.6
  Top Layer w8: v1(2335,2289.53) U1.39
  Bottom Layer w8: v1(2335,2289.53) 2314,2310.53 2314,2471 2526.87,2683.87 TFT1.5
PC9: TFT1.4 U1.40 | length 2232.8
  Top Layer w8: v1(2315.16,2269.84) U1.40
  Bottom Layer w8: v1(2315.16,2269.84) 2300,2285 2300,2483 2532.36,2715.36 TFT1.4
PC10: R45.2 U1.51 | length 1560.1
  Top Layer w8: U1.51 2551.73,1763.27 v1(2580,1735) ; v1(3545,1850) 3595,1900 R45.2
  Bottom Layer w8: v1(2580,1735) 3430,1735 v1(3545,1850)
PC13: LED1.2 U1.2 | length 415.8
  Top Layer w8: U1.2@2885.47,2132.05 U1.2 3057.95,2132.05 LED1.2
PC14: C4.2 U1.3 Y2.1 | length 528.8
  Top Layer w8: U1.3@2885.47,2151.73 U1.3 3263.31,2151.73 Y2.1 3295.04,2061.46 C4.2 ; Y2.1@3274.94,2140.1 ccw(c3285.47,2150.62) Y2.1@3290.84,2136.74
PC15: C3.2 U1.4 Y2.2 | length 649.7
  Top Layer w8: U1.4@2885.47,2171.42 U1.4 3373.54,2171.42 Y2.2 3424.96,2061.46 C3.2
PD0: C2.2 U1.5 Y1.1 | length 450
  Top Layer w8: U1.5@2885.47,2191.1 U1.5 3154.1,2191.1 3163,2200 Y1.1 3260,2200 3280,2220 C2.2
PD1: C1.2 U1.6 Y1.3 | length 478.7
  Top Layer w8: U1.6@2885.47,2210.79 U1.6 3132.79,2210.79 3216.49,2294.49 Y1.3 3260.51,2294.49 3275,2280 C1.2
RESET: C5.2 R3.2 RST.1 TFT1.8 U1.7 | length 1876.1
  Top Layer w8: U1.7@2885.47,2230.47 U1.7 3101.67,2230.47 3244.2,2373 3376,2373 ; v1(3480,2589.38) 3376,2485.38 3376,2373 ; R3.2 RST.1@3479.5,2373 ; C5.2 3732.5,2373 3653.17,2373 RST.1@3479.5,2373 ; 3376,2373 3476,2373 RST.1@3479.5,2373
  Bottom Layer w8: v1(3480,2589.38) TFT1.8
T_VBAT: C24.1 CHG.5 D1.1 POWER.2 VBAT.1 | length 3962.8
  Top Layer w8: D1.1 3546,1880 3604,1938 4343,1938 4383,1978 4383,2984 4022.5,3344.5 3848,3344.5 C24.1
  Top Layer w15: VBAT.1 3214.53,3213.53 3231,3230 3340,3230 3455,3345 3758.5,3345 C24.1 ; CHG.5 C24.1@3796.73,3300
  Top Layer w20: VBAT.1 POWER.2
VBAT: C11.1 C97.2 L7.2 POWER.3 R6.1 R43.2 U2.1 U2.3 | length 4515.6
  Top Layer w15: C11.1@2960.7,2940.2 U2.3 3070.2,2940.2 3090,2960 3090,3004 3079,3015 ; U2.1 3079,3015 ; R43.2 3544,1667.5 3544,1550 3570.5,1523.5 C97.2 3693.89,1523.5 L7.2 3730.39,1522.61 3796,1457 4014,1457 4410,1853 4410,2990 4026,3374 3307,3374 3287,3394 3223,3394 3157,3328 3117,3328 3111.42,3322.42 POWER.3 3111.42,3229.42 3096.5,3214.5 R6.1 3140,3136.5 3140,3076 3079,3015
VCC3.3: C6.2 C7.2 C8.2 C9.2 C13.2 C14.2 C20.2 C29.1 C31.1 C36.1 C65.2 C66.2 C100.2 H1.4 H5.1 R1.1 R3.1 R4.2 R9.2 R10.2 R15.2 R16.2 R17.2 R18.2 R22.1 R23.1 R24.1 R35.1 R47.2 R55.1 TF_CARD.4 TFT1.2 TFT1.3 U1.19 U1.32 U1.48 U1.64 U2.5 U3.8 U3.13 U4.7 U4.8 U5.8 U7.8 | length 13733.4
  Top Layer w8: H5.1 1652,1142 1881,1142 1931.18,1192.18 U7.8 1985.76,1254.76 2080,1349 C66.2 ; R55.1@1740,2028.5 cw(c1740,2009.19) R55.1@1753.66,2022.84 ; R55.1 1776.5,2000 1914,2000 2045,1869 2045,1558.5 C66.2 ; C66.2@2066.34,1537.16 ccw(c2080,1550.81) C66.2@2080,1531.5 ; 2180,3040 2195,3025 v1(2195,3005) ; v1(2265,2994) 2553,2994 2589.92,2957.08 TF_CARD.4 C36.1@2589.92,2816.81 ; C8.2@2340,2015.5 cw(c2340,1996.19) C8.2@2353.66,2009.84 ; v1(2410,2865) 2433.5,2841.5 R17.2 ; U1.48 2342.63,2023.5 C8.2 2435,1928.5 v1(2435,1500) ; C6.2 2512.36,2511.14 U1.32 2512.36,2428.64 2545,2396 2596,2396 2625,2425 2700,2425 2715,2410 2767.27,2410 2768.27,2411 ; H1.4 2510,1308 2435,1383 v1(2435,1500) ; U5.8 2580,1600 v1(2624,1556) 2819.5,1556 C31.1 2954.5,1556.5 3041.2,1469.8 3041.2,1324.8 3116,1250 v1(3135,1250) 3146.47,1261.47 U3.8 ; v1(2905,2590) 2881,2614 2810,2614 2783.5,2587.5 C7.2 2768.27,2564.77 U1.19 2768.27,2411 ; R1.1 v1(3000,2590) ; R9.2@3046.34,1650.16 ccw(c3060,1663.81) R9.2@3060,1644.5 ; v1(3164,1636) 3120.5,1636 R10.2 R9.2 2988.5,1708 2942,1708 2876.5,1773.5 C9.2 ; v1(3285,1290) 3296.79,1301.79 3296.79,1322.79 ; R3.1 3612.5,2076 R22.1 3436.5,1900 3142,1900 3108,1934 3050,1934 3035,1919 3035,1876 3019,1860 C9.2 ; C100.2 3983.5,2747 v1(4020,2747) 4183,2584 R47.2 ; C66.2 C65.2 2140,1476 2176,1440 2303.5,1440 R35.1 2363.5,1500 v1(2435,1500) ; 2768.27,2411 2768.27,2330.73 2790,2309 2790,2094 2807.64,2076.36 U1.64 2807.64,1928.86 C9.2
  Top Layer w10: C29.1 2036.5,2756.5 2000,2720 1865,2720 ; U4.7 U4.8 ; R24.1 1988.5,2504.5 1865,2628 1865,2720 ; v1(2204.96,3064.96) 2180,3040 U4.8 ; R17.2 2433.5,2765.5 2443.5,2755.5 C6.2 ; U2.5 C14.2@3258.5,3015 ; v1(3175,3110) 3200,3085 C13.2 ; U3.13 3296.79,1322.79 3306.5,1332.5 C20.2 ; C14.2 3325.5,2951 3772.5,2951 C100.2 ; 1865,2720 1828.5,2756.5 R23.1 1660,3124 1732.5,3196.5 R15.2 R16.2 R18.2 2027.5,3196.5 2130,3094 U4.8
  Bottom Layer w8: v1(2195,3005) 2206,2994 v1(2265,2994) 2382,2994 2410,2966 v1(2410,2865) ; v1(2435,1500) 2568,1500 v1(2624,1556) ; v1(2905,2590) v1(3000,2590) ; v1(3135,1250) 3245,1250 v1(3285,1290) 3285,1515 v1(3164,1636) ; v1(4020,2747) 4020.14,2746.86 TFT1.3 TFT1.2
  Bottom Layer w10: v1(2204.96,3064.96) 2250,3110 v1(3175,3110)
VCC3.3A: C15.2 C16.2 R1.2 U1.13 | length 317.5
  Top Layer w8: U1.13 2948.58,2348.58 3000,2400 R1.2 3066,2463.5 3072.5,2470 C15.2
VUSB: R19.2 USB.1 | length 2731.9
  Top Layer w15: USB.1 v2(2197.6,1344.4) ; v2(3385,2983) R19.2@3494.5,2983
  Bottom Layer w15: v2(2197.6,1344.4) 2315,1461.8 2315,2179 2270,2224 2270,2516 2737,2983 v2(3385,2983)
pads on no net: "POWER. " J3.4 J3.5 J3.9 J3.10 POWER.0 POWER.1 TF_CARD.0 TF_CARD.1 TF_CARD.8 TF_CARD.9 TFT1.25 TFT1.26 TFT1.27 TFT1.28 TFT1.29 TFT1.30 TFT1.31 TFT1.32 TFT1.33 TFT1.36 U3.2 U3.3 U3.4 U3.5 U3.6 U3.7 U3.14 U3.15 U3.16 U3.17 U3.19 U3.21 U3.22 U3.25 U4.3 USB.4

## Polygon pours and split planes (outlines as drawn)
GND on Bottom Layer "Top Layer-No Net" (solid, remove dead copper, pour order 2): 1020,3440 1020,1017 4810,1017 4810,3440
GND on Top Layer "Top Layer-No Net" (solid, remove dead copper, pour order 0): 1020,3440 1020,1017 4810,1017 4810,3440

## Keep-outs
Keep-Out Layer:
  lines w10: 1020,1017 4810,1017 4810,3440 1020,3440 1020,2834.25 1020,1909 1291,1909 1305,1909 1305,1201 1020,1201 1020,1017

## Other copper
Top Layer:
  rectangle net PA0: 1075,1950 1626,2657
  rectangle net GND: 1900.36,1037.39 1938.22,1133.96
  rectangle net GND: 1857,1037.39 1900.36,1080
  rectangle net GND: 2095,1068 2408,1202
  rectangle net GND: 2753.69,1037.39 2858.46,1128.46
  rectangle net GND: 3048.78,1279.37 3056.17,1282.43
  rectangle net GND: 4010,1792.91 4015,1797.01
  rectangle net GND: 4155.47,2161.97 4244.53,2162.52
  pour cut-out: 2650,2791 2690,2791 2690,2789

## Silkscreen, mask and mechanical layers (free items; w line width, h text height)
Top Solder:
  drawing of 961 lines, arcs and shapes, not listed
  text "PC10 BL" at 1066,3370 h52
  text "PC11 PC12 IIC" at 1404,3370 h52
  text "PC13 PC5 LED" at 1066,3316.5 h52
  text "PC4 PA15 KEY" at 1404,3316.5 h52
  text "PC0123 SDA SCK PEN CS" at 1066,3263 h52
  text "PC9876 CS RS WR RD" at 1066,3209.5 h52
  text "PA567 SPI1 SD FLASH" at 1066,3156 h52
  text "PA4 SDCS PA8 FLASHCS" at 1066,3102.5 h52
  text "PD2 ESPRST USART2" at 1066,3049 h52
  text "PA0 TPAD PA1 VBAT" at 1066,2995.5 h52
  text "PA9 PA10 USART1" at 1066,2942 h52
  text "PA11 PA12 USB" at 1066,2888.5 h52
  text "PA13 PA14 SWD" at 1066,2835 h52
  text "PC14 PC15 32.768K" at 1066,2781.5 h52
  text "PD0 PD1 8M" at 1066,2728 h52
  text "PB0~15 FSMC" at 1066,2677 h52
  text "2019.11.11" at 4344,2501 h122 r90
  text "STM32" at 1792,2165 h152 r90
  text "Lovelessing..." at 2157,1759 h122 r90
  text "MINI MIX" at 3511,1127 h152 r90

## Dimensions
1020,3440 to 1019.92,1016.38 on Top Overlay
1020,3440 to 4810,3440 on Top Overlay

## Text inside footprints (layer, text, board x,y; h text height)
J3: Top Overlay "8" at 4140.94,2148.43 h30 r270; Top Overlay "1" at 4140.94,2323.62 h30 r270
TF_CARD: Top Overlay "Cd" at 2819,2951 h30 r90; Top Overlay "8" at 2766,2973 h30 r180; Top Overlay "7" at 2722,2974 h30 r180; Top Overlay "6" at 2680,2974 h30 r180; Top Overlay "5" at 2638,2974 h30 r180; Top Overlay "4" at 2596,2975 h30 r180; Top Overlay "3" at 2549,2975 h30 r180; Top Overlay "2" at 2507,2975 h30 r180; Top Overlay "1" at 2464,2976 h30 r180
U7: Mechanical 13 "CUTOUT POLYGON" at 1090,1245 h10 r90; Mechanical 13 "ANTENNA AREA" at 1070,1245 h10 r90